# Altium PCB Fri3d_2024_CVR_00.PcbDoc
Units mm, origin at the board's own origin, x right, y up, seen from the top; angles counter-clockwise.
Board outline 83.2 x 53.04 mm, 2 copper layers (Top Layer, Bottom Layer), stack 1.571 mm thick; 20 components, 23 nets, 78 pads, 0 vias.
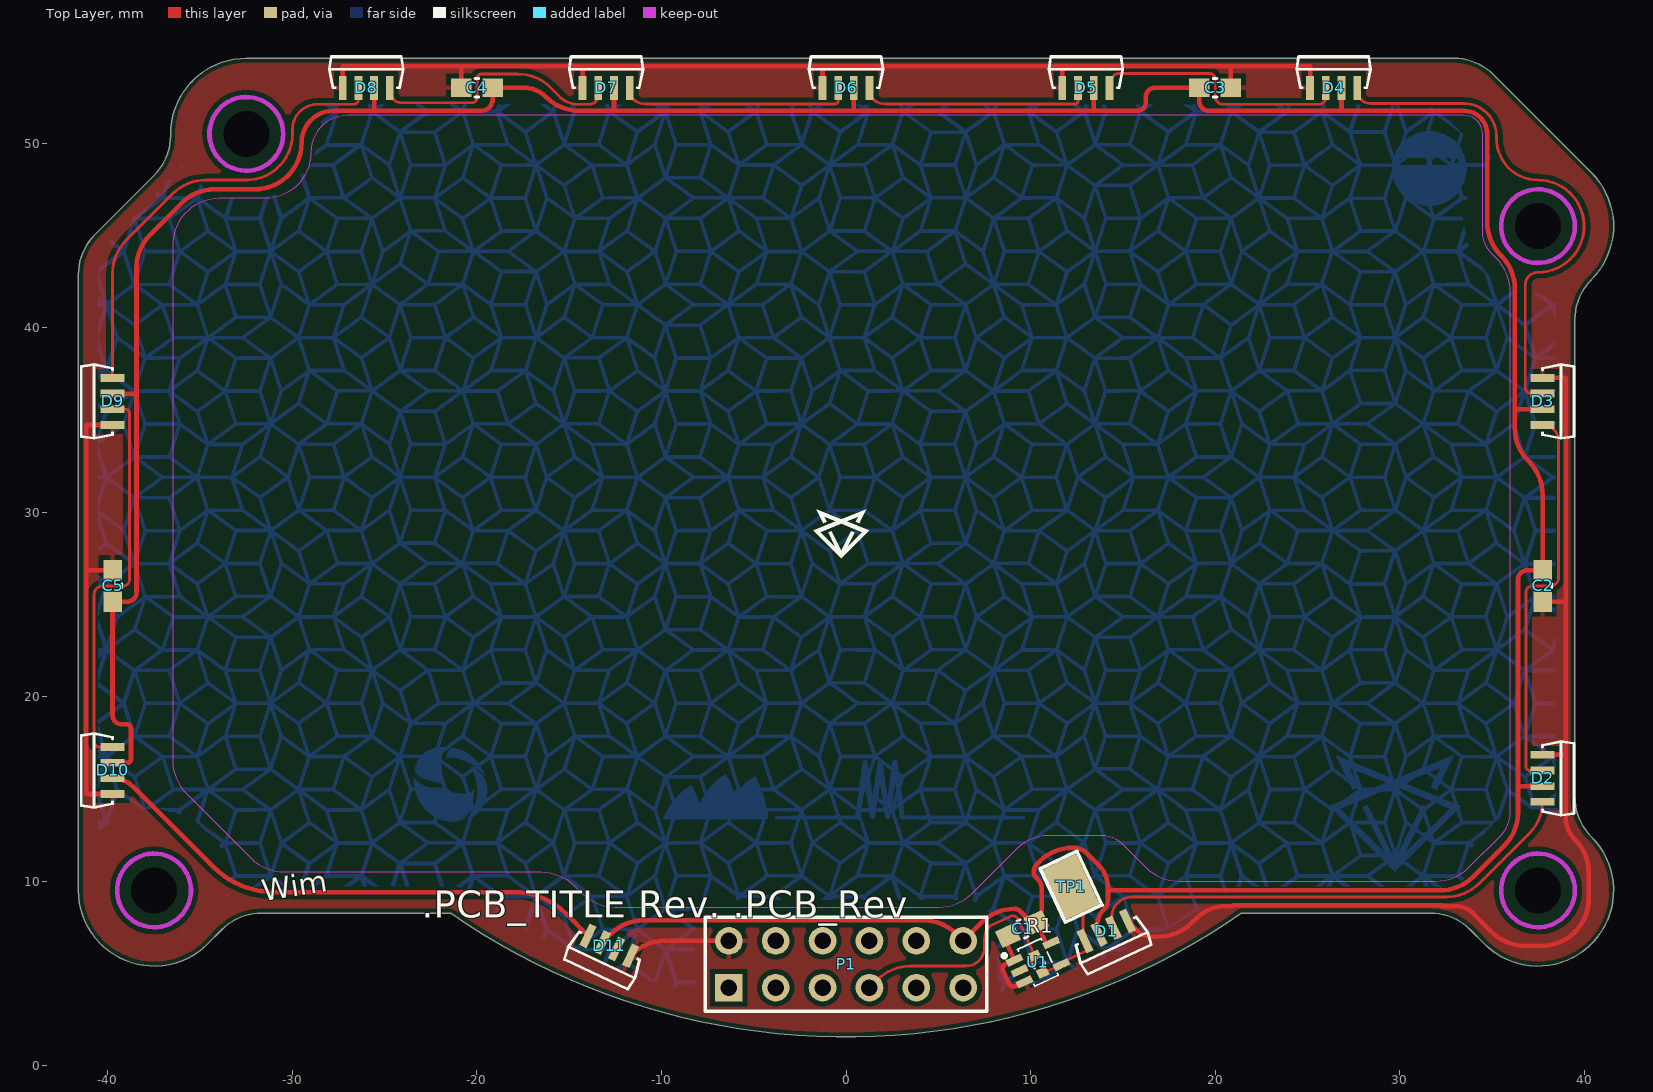
[diagram p0: Top Layer view]
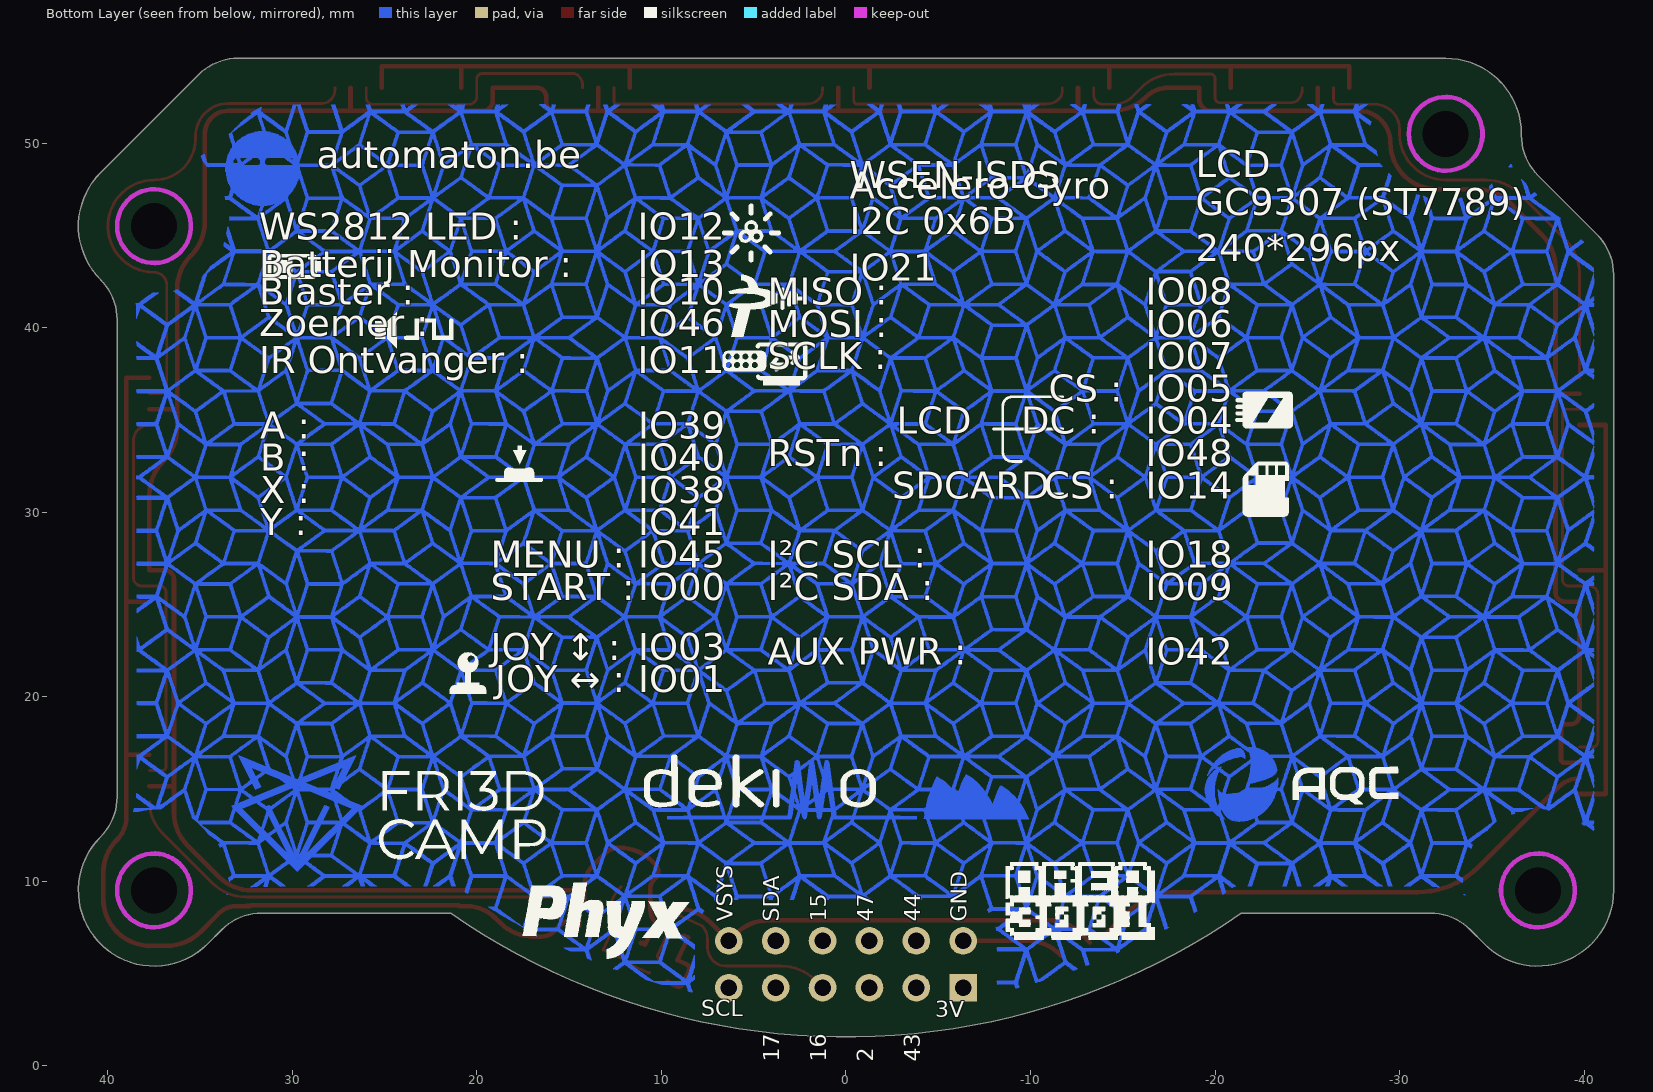
[diagram p1: Bottom Layer view, seen from below]

## Layer stack, top to bottom
Top Solder: solder mask 0.0102, Solder Resist, Dk 3.5
Top Layer: signal copper 0.0356
Dielectric1: core 1.5, FR-4, Dk 4.8
Bottom Layer: signal copper 0.0356
Bottom Solder: solder mask 0.0102, Solder Resist, Dk 3.5

## Board outline
-34.601,6.601 -33.833,7.369 cw(c-31.665,5.201) -31.665,8.267 -21.411,8.267 ccw(c0,39.053) 21.411,8.267 31.665,8.267 cw(c31.665,5.201) 33.833,7.369 34.601,6.601 ccw(c37.5,9.5) 40.399,12.399 40.398,12.4 cw(c42.566,14.568) 39.5,14.568 39.5,40.432 cw(c42.566,40.432) 40.398,42.6 40.399,42.601 ccw(c37.5,45.5) 40.399,48.399 35.096,53.702 ccw(c32.928,51.534) 32.928,54.6 -32.5,54.6 ccw(c-32.5,50.5) -36.6,50.5 -36.6,50.42 cw(c-39.666,50.42) -37.498,48.252 -40.702,45.048 ccw(c-38.534,42.88) -41.6,42.88 -41.6,9.5 ccw(c-37.5,9.5)

## Design rules (kind name [scope] priority, off if disabled: settings)
BoardOutlineClearance [NOT OnLayer('Top Overlay') AND NOT OnLayer('Bottom Overlay') AND NOT IsText AND NOT HasFootprint('MicroBIT_V2_PCB') AND NOT IsKeepOut] p1: gap=0.5 ignorepadtopadclearanceinfootprint=FALSE except(0: Arc-SplitContinuation Track-SplitContinuation SMDPad-SplitContinuation THPad-SplitContinuation Via-SplitContinuation Fill-SplitContinuation Poly-SplitContinuation Region-SplitContinuation Text-SplitContinuation; 0.15: SMDPad-OutlineEdge THPad-OutlineEdge; 0.25: Poly-OutlineEdge Region-OutlineEdge; 0.3: Arc-OutlineEdge Track-OutlineEdge; 0.4: Via-OutlineEdge)
Clearance [All] p1: gap=0.15 ignorepadtopadclearanceinfootprint=FALSE except(0: Arc-Hole Track-Hole SMDPad-Hole THPad-Hole Via-Hole Fill-Hole Poly-Hole Region-Hole Text-Hole; 0.25: Arc-Poly Track-Poly SMDPad-Poly THPad-Poly Via-Poly Fill-Poly; 1.1: Poly-Poly)
ComponentClearance ComponentClearance_TP [HasFootprint('TP_2x3mm')] p1: gap=0 collisioncheckmode=3 verticalgap=0 showdistances=FALSE
ComponentClearance ComponentClearance_CO2 [InComponent('P5') OR InComponent('P8') OR InComponent('MOD2') vs InComponent('P5') OR InComponent('P8') OR InComponent('MOD2')] p2: gap=0 collisioncheckmode=3 verticalgap=0 showdistances=FALSE
ComponentClearance ComponentClearance_BAT [InComponent('P4')  OR InComponent('BAT1') OR InComponent('R27') vs InComponent('P4')  OR InComponent('BAT1') OR InComponent('R27')] p3: gap=0 collisioncheckmode=3 verticalgap=0 showdistances=FALSE
ComponentClearance ComponentClearance_R31-T5 [InComponent('R31') OR InComponent('T5') vs InComponent('R31') OR InComponent('T5')] p4: gap=0 collisioncheckmode=3 verticalgap=0 showdistances=FALSE
ComponentClearance "ComponentClearance_Selection resistors" [InComponent('R45') OR InComponent('R44') OR InComponent('R33') OR InComponent('R34') vs InComponent('R45') OR InComponent('R44') OR InComponent('R33') OR InComponent('R34')] p5: gap=0 collisioncheckmode=3 verticalgap=0 showdistances=FALSE
ComponentClearance ComponentClearance_T9-R4 [InComponent('R4') OR InComponent('T9') vs InComponent('R4') OR InComponent('T9')] p6: gap=0 collisioncheckmode=3 verticalgap=0 showdistances=FALSE
ComponentClearance ComponentClearance_IR [InComponent('D6') OR InComponent('D15') vs InComponent('D6') OR InComponent('D15')] p7: gap=0 collisioncheckmode=3 verticalgap=0 showdistances=FALSE
ComponentClearance [All] p8: gap=0.25 collisioncheckmode=3 verticalgap=0.25 showdistances=FALSE
DiffPairsRouting [All] p1: maxlimit=0.254 minlimit=0.2 mostfreqgap=0.2 toplayer_minwidth=0.25 toplayer_maxwidth=0.5 toplayer_prefwidth=0.25 bottomlayer_minwidth=0.25 bottomlayer_maxwidth=0.5 bottomlayer_prefwidth=0.25 maxuncoupledlength=12.7
HoleSize [All] p1: absolutevalues=TRUE maxlimit=20 minlimit=0.025 maxpercent=80.000 minpercent=20.000
PolygonConnect PolygonConnect_VIA [IsVia] p1: connectstyle=Direct reliefconductorwidth=0.254 reliefentries=4 polygonreliefangle="90 Angle" airgapwidth=0.254
PolygonConnect [All] p2: connectstyle=Relief reliefconductorwidth=0.254 reliefentries=4 polygonreliefangle="90 Angle" airgapwidth=0.254
RoutingVias [All] p1: holewidth=0.3 width=0.7 viastyle="Through Hole" minholewidth=0.3 minwidth=0.2 maxholewidth=0.6 maxwidth=1.2
SilkToSolderMaskClearance SilkscreenOverComponentPads [IsPad] p1: minsilkscreentomaskgap=0.254 clearancetoexposedcopper=TRUE
SolderMaskExpansion [All] p1: expansion=0.05 istentingtop=FALSE
Width [All] p1: maxlimit=5 minlimit=0.15 preferedwidth=0.25
26 further rules are at their usual default settings.

## Components (designator, comment, footprint, x,y, rotation, side; value= is the part's Value field where it differs from the comment)
C1 "" C0603_N 9.555,7.413 r205 top value="100nF 16V"
C2 "CAP_CERAMIC" C0603_N 37.75,26 r270 top value="1uF 16V"
C3 "CAP_CERAMIC" C0603_N 20,53 r0 top value="1uF 16V"
C4 "CAP_CERAMIC" C0603_N -20,53 r180 top value="1uF 16V"
C5 "CAP_CERAMIC" C0603_N -39.75,26 r90 top value="1uF 16V"
D1 "WS2812 based digital RGB LED 4020 White package Side emitting" LED_4020_WS2812B_WHITE 14.1,7.3 r295 top value="WS218B 4020 WH RA"
D2 "WS2812 based digital RGB LED 4020 White package Side emitting" LED_4020_WS2812B_WHITE 37.75,15.575 r0 top value="WS218B 4020 WH RA"
D3 "WS2812 based digital RGB LED 4020 White package Side emitting" LED_4020_WS2812B_WHITE 37.75,36 r0 top value="WS218B 4020 WH RA"
D4 "WS2812 based digital RGB LED 4020 White package Side emitting" LED_4020_WS2812B_WHITE 26.425,53 r90 top value="WS218B 4020 WH RA"
D5 "WS2812 based digital RGB LED 4020 White package Side emitting" LED_4020_WS2812B_WHITE 13,53 r90 top value="WS218B 4020 WH RA"
D6 "WS2812 based digital RGB LED 4020 White package Side emitting" LED_4020_WS2812B_WHITE 0,53 r90 top value="WS218B 4020 WH RA"
D7 "WS2812 based digital RGB LED 4020 White package Side emitting" LED_4020_WS2812B_WHITE -13,53 r90 top value="WS218B 4020 WH RA"
D8 "WS2812 based digital RGB LED 4020 White package Side emitting" LED_4020_WS2812B_WHITE -26,53 r90 top value="WS218B 4020 WH RA"
D9 "WS2812 based digital RGB LED 4020 White package Side emitting" LED_4020_WS2812B_WHITE -39.75,36 r180 top value="WS218B 4020 WH RA"
D10 "WS2812 based digital RGB LED 4020 White package Side emitting" LED_4020_WS2812B_WHITE -39.75,16 r180 top value="WS218B 4020 WH RA"
D11 "WS2812 based digital RGB LED 4020 White package Side emitting" LED_4020_WS2812B_WHITE -12.825,6.5 r245 top value="WS218B 4020 WH RA"
P1 "Header 6X2" HDR2X6 -6.35,4.23 r0 top locked
R1 "RESISTOR" R0402 10.442,5.509 r115 top value=0R
TP1 "TEST_PAD" TP_2x3mm 12.2,9.7 r295 top value="NO BOM"
U1 "SN74AHCT1G125DCKR  Buffer, Tri-State, 4.5V to 5.5V" TI_DCK_R-PDSO-G5 10.4,5.6 r295 top value=SN74AHCT1G125DCKR

## Footprints (in the part's own frame and the unit in brackets; to place one, negate y for a bottom-side part, rotate by r counter-clockwise, add the part's x,y. Pads: shape width x height; smd on the part's side, far side on the other; paste and mask are expansions set on the pad)
C0603_N [mm] "Low density"
  rect 1.1x1 smd: 1(-0.85,0) 2(0.85,0)
  silkscreen extent -0.1,-0.5 0.1,0.5, body extent -0.8,-0.4 0.8,0.4, height 0.3
HDR2X6 [mm] "Connector; Header; 6x2 Position"
  rect 1.5x1.5 hole 0.9: 1(0,0)
  round 1.5 hole 0.9: 2(0,2.54) 3(2.54,0) 4(2.54,2.54) 5(5.08,0) 6(5.08,2.54) 7(7.62,0) 8(7.62,2.54) 9(10.16,0) 10(10.16,2.54) 11(12.7,0) 12(12.7,2.54)
  silkscreen extent -1.27,-1.27 13.97,3.81, body extent -1.27,-1.27 13.97,3.81, height 8.5
LED_4020_WS2812B_WHITE [mm] "4020 RGB LED WS2812B WHITE"
  rect 1.3x0.42 smd: 1(0,-1.275) 2(0,-0.425) 3(0,0.425) 4(0,1.275)
  silkscreen extent 0,-2 1.7,2, body extent -0.11,-2 1.7,2, height 2.1
R0402 [mm]
  rect 0.5x0.6 smd: 1(-0.5,0) 2(0.5,0)
  silkscreen extent -0.1,-0.3 0.1,0.3, body extent -0.5,-0.25 0.5,0.25, height 0.35
TI_DCK_R-PDSO-G5 [mm] "TI-DCK-R-PDSO-G5"
  rect 0.4x0.9 smd: 1(-0.65,-1.1) 2(0,-1.1) 3(0.65,-1.1) 4(0.65,1.1) 5(-0.65,1.1)
  silkscreen extent -1.2,-1.6 1.1,0.7, body extent -1,-1.05 1,1.05, height 0.95
TP_2x3mm [mm] "2 x 3 mm pad"
  rrect10% 3x2 smd mask+0.03: 1(0,0)
  silkscreen extent -1.6,-1.1 1.6,1.1

## Part data
C1: library part "CAP # 100nF 16V 0603", "Capacitor Ceramic"
C2 C3 C4 C5: library part "CAP # 1uF 16V 0603", "Capacitor Ceramic", Supplier Part Number 1=2320814, Supplier 1=Farnell
D1 D2 D3 D4 D5 D6 D7 D8 D9 D10 D11: library part "LED # RGB WS2812B-4020 WH RA", "=Description", Supplier Part Number 1=C965557, Supplier 1=LCSC
P1: library part "Pin Header 2.54mm dual row 12way"
R1: library part "RES # 0R 0402", Supplier Part Number 1=2072513, Supplier 1=Farnell, Supplier 3=Generic, Supplier Part Number 3="0R 1% 0402"
TP1: library part "TP # 2x3mm", Supplier Part Number 1="FOOTPRINT ONLY", Supplier 1=XXX
U1: library part "BUF # 1 SN74AHCT1G125DCKR", "=Description", Supplier Part Number 1=C151417, Supplier 1=LCSC, Supplier 2=LCSC, Supplier Part Number 2=C350557

## Free pads (board coordinates)
  round 0 hole 2.5 unplated mask+0.2: 0(-37.5,9.5) 0(-32.5,50.5) 0(37.5,9.5) 0(37.5,45.5)

## Nets (pads, with @x,y where several pads share a name; then routed paths per layer and width w, separated by ;. In a path a pad name is that pad's centre, name@x,y a point inside that pad or via, vN(x,y) a via of type N, cw(c..) or ccw(c..) an arc to the next point about the centre after c; other vN are vias at no path point)
3V3_AUX: P1.1
ESP.IO2: P1.5
ESP.IO15: P1.8
ESP.IO16: P1.7 R1.2 U1.2 | length 13.5
  Top Layer w0.15: P1.7 1.696,4.656 cw(c3.492,2.86) 3.492,5.4 6.5,5.4 ccw(c6.5,6.4) 7.5,6.4 7.5,6.833 cw(c8.557,6.833) 7.81,7.58 8.916,8.096 cw(c9.039,7.834) 9.301,7.956 R1.2 cw(c8.948,6.43) 9.525,5.192 U1.2
ESP.IO17: P1.9
ESP.IO43: P1.3
ESP.IO44: P1.4
ESP.IO47: P1.6
GND: C1.2 C2.2 C3.2 C4.2 C5.2 D1.4 D2.4 D3.4 D4.4 D5.4 D6.4 D7.4 D8.4 D9.4 D10.4 D11.4 P1.2 U1.1 U1.3 | length 155.1
  Top Layer w0.25: D10.4 -41.175,14.725 -41.175,26.85 ; C5.2 -41.175,26.85 ; D9.4 -41.175,34.725 -41.175,26.85 ; D8.4 -27.275,54.175 -20.85,54.175 ; C4.2 -20.85,54.175 ; D7.4 -14.275,54.175 ; D11.4 -11.605,6.026 cw(c-9.809,4.23) -9.809,6.77 P1.2 ; D6.4 -1.275,54.175 ; C1.2 8.558,6.948 U1.1 8.63,5.492 ccw(c8.736,5.265) 8.509,5.16 8.847,4.435 ccw(c9.074,4.54) 9.179,4.314 U1.3 ; D5.4 11.725,54.175 ; D1.4 15.808,7.287 ccw(c16.5,7.979) 16.5,7 16.948,7 ccw(c16.948,9.54) 18.744,7.744 19.006,8.006 cw(c20.559,6.453) 20.559,8.649 20.955,8.649 20.998,8.692 31.988,8.692 31.991,8.688 32.261,8.688 32.291,8.659 32.527,8.659 32.536,8.649 33.036,8.649 cw(c33.036,7.286) 34,8.25 35.006,7.244 ccw(c36.802,9.04) 36.802,6.5 37.698,6.5 ccw(c37.698,9.04) 39.494,7.244 39.506,7.256 ccw(c37.71,9.052) 40.25,9.052 40.25,10.448 ccw(c37.71,10.448) 39.506,12.244 cw(c40.728,13.466) 39,13.466 39,16.85 ; C3.2 20.85,54.175 ; D4.4 25.15,54.175 20.85,54.175 ; D2.4 39,16.85 ; C2.2 39,25.15 ; D3.4 39,37.275 39,25.15 ; -20.85,54.175 -14.275,54.175 ; -14.275,54.175 -1.275,54.175 ; -1.275,54.175 11.725,54.175 ; 11.725,54.175 20.85,54.175 ; 39,16.85 39,25.15
I2C.SCL: P1.11
I2C.SDA: P1.10
LED.D: D1.1 R1.1 TP1.1 U1.4 | length 6.5
  Top Layer w0.15: R1.1 ccw(c10.699,5.077) 10.72,5.032 U1.4 11.719,5.605 13.157,6.276 13.163,6.292 D1.1 cw(c13.197,7.013) 12.84,7.013 12.84,8.155 ccw(c10.655,8.155) TP1.1
NetD1_3: D1.3 D2.1 | length 27.1
  Top Layer w0.15: D1.3 cw(c14.67,7.665) 14.408,7.665 14.408,8.096 cw(c15.404,8.096) 14.7,8.8 ; 14.701,8.801 cw(c15.535,7.965) 15.535,9.146 32.528,9.146 ccw(c32.528,11.686) 34.324,9.89 37.054,12.619 ccw(c35.373,14.3) D2.1
NetD2_3: D2.3 D3.1 | length 21.5
  Top Layer w0.15: D2.3 37.065,16 cw(c37.065,16.22) 36.845,16.22 36.845,25.657 cw(c37.189,25.657) 37.189,26 38.16,26 ccw(c38.16,26.458) 38.618,26.458 38.618,33.857 ccw(c37.75,33.857) D3.1
NetD3_3: D3.3 D4.1 | length 28.4
  Top Layer w0.15: D4.1 27.7,52.894 ccw(c28.473,52.894) 27.926,52.348 ccw(c28.398,52.82) 28.398,52.153 33.472,52.153 cw(c33.472,50.375) 35.25,50.375 35.25,50.25 ccw(c37.5,50.25) 37.5,48 cw(c37.5,45.5) 37.5,43 ccw(c37.5,42.311) 36.811,42.311 36.811,36.755 ccw(c37.141,36.755) 37.141,36.425 D3.3
NetD4_3: D4.3 D5.1 | length 14.3
  Top Layer w0.15: D5.1 14.275,53.125 cw(c15.01,53.125) 14.49,53.645 cw(c14.799,53.336) 14.799,53.773 19.704,53.773 cw(c19.704,53.468) 20.009,53.468 20.009,52.52 ccw(c20.424,52.52) 20.424,52.104 25.646,52.104 ccw(c25.646,52.459) 26,52.459 D4.3
NetD5_3: D5.3 D6.1 | length 12.6
  Top Layer w0.15: D6.1 1.275,52.844 ccw(c1.904,52.844) 1.459,52.4 ccw(c2.142,53.083) 2.142,52.117 12.398,52.117 ccw(c12.398,52.294) 12.575,52.294 D5.3
NetD6_3: D6.3 D7.1 | length 12.6
  Top Layer w0.15: D7.1 -11.725,52.844 ccw(c-11.096,52.844) -11.541,52.4 ccw(c-10.858,53.083) -10.858,52.117 -0.602,52.117 ccw(c-0.602,52.294) -0.425,52.294 D6.3
NetD7_3: D7.3 D8.1 | length 14.4
  Top Layer w0.15: D8.1 -24.725,52.923 ccw(c-23.904,52.923) -24.484,52.343 ccw(c-24.118,52.709) -24.118,52.191 -20.267,52.191 ccw(c-20.267,52.458) -20,52.458 -20,53.5 cw(c-19.75,53.5) -19.75,53.75 -17.8,53.75 cw(c-17.8,51.21) -16.004,53.006 -15.49,52.492 ccw(c-14.576,53.406) -14.576,52.113 -13.903,52.113 ccw(c-13.903,52.591) -13.425,52.591 D7.3
NetD8_3: D8.3 D9.1 | length 24.7
  Top Layer w0.15: D9.1 -39.75,42.948 cw(c-37.21,42.948) -39.006,44.744 -36.494,47.256 cw(c-34.698,45.46) -34.698,48 -32.5,48 ccw(c-32.5,50.5) -30,50.5 -30,50.75 cw(c-28.644,50.75) -28.644,52.106 -26.688,52.106 ccw(c-26.688,52.369) -26.425,52.369 D8.3
NetD9_3: D9.3 D10.1 | length 21.6
  Top Layer w0.15: D10.1 -40.455,17.275 cw(c-40.455,17.57) -40.75,17.57 -40.75,25.536 cw(c-40.286,25.536) -40.286,26 -39.167,26 ccw(c-39.167,26.339) -38.829,26.339 -38.829,35.38 ccw(c-39.024,35.38) -39.024,35.575 D9.3
NetD10_3: D10.3 D11.1 | length 28.9
  Top Layer w0.25: D10.3 cw(c-39.75,13.945) -38.598,15.098 -34.258,10.758 ccw(c-31.005,14.011) -31.005,9.411 -17.985,9.411 cw(c-17.985,5.469) -15.198,8.256 D11.1
VSYS: C1.1 C2.1 C3.1 C4.1 C5.1 D1.2 D2.2 D3.2 D4.2 D5.2 D6.2 D7.2 D8.2 D9.2 D10.2 D11.2 P1.12 U1.5 | length 222.8
  Top Layer w0.25: D10.2 -38.936,16.425 ccw(c-38.936,16.611) -38.75,16.611 -38.75,18.25 ccw(c-39,18.25) -39,18.5 -39.25,18.5 cw(c-39.25,19) -39.75,19 C5.1 -38.951,25.15 ccw(c-38.951,25.651) -38.45,25.651 -38.45,36.425 ; D9.2 -38.45,36.425 ; D8.2 -25.575,51.75 ; D11.2 -12.75,7.14 cw(c-10.954,5.343) -10.954,7.883 4.184,7.883 cw(c4.184,5.343) 5.98,7.14 P1.12 7.336,7.756 cw(c9.132,5.96) 9.132,8.5 cw(c9.132,8.055) 9.447,8.37 C1.1@9.801,8.015 ; D7.2 -12.575,51.75 ; D6.2 0.425,51.75 ; C1.1@9.846,7.97 ccw(c10.325,8.449) C1.1 ; U1.5 11.001,6.654 10.896,6.548 C1.1 ; D5.2 13.425,51.75 ; D1.2 13.613,7.222 13.613,7.567 cw(c14.933,7.567) 14,8.5 ccw(c13.517,8.983) 14.2,8.983 14.2,9.5 ; D4.2 26.85,51.75 ; D2.2 36.416,15.15 ; D3.2 36.25,35.575 ; -38.45,36.425 -38.45,43.248 cw(c-35.91,43.248) -37.706,45.044 -35.985,46.765 cw(c-34.21,44.99) -34.21,47.5 -32.04,47.5 ccw(c-32.04,50.04) -29.5,50.04 cw(c-27.79,50.04) -27.79,51.75 -25.575,51.75 ; -25.575,51.75 -19.775,51.75 ccw(c-19.775,52.375) -19.15,52.375 C4.1 -17.466,53 cw(c-17.466,51.272) -16.244,52.494 ccw(c-14.448,54.29) -14.448,51.75 -12.575,51.75 ; -12.575,51.75 0.425,51.75 ; 0.425,51.75 13.425,51.75 ; C1.1 ccw(c9.662,8.435) 10.6,8.435 10.6,9.617 ccw(c9.917,9.617) 10.4,10.1 10.283,10.217 cw(c10.542,10.477) 10.175,10.477 10.175,10.48 cw(c10.85,10.48) 10.373,10.956 10.487,11.07 cw(c12.283,9.274) 12.283,11.814 12.364,11.814 cw(c12.364,10.883) 13.022,11.542 13.694,10.87 cw(c12.471,9.648) 14.2,9.648 14.2,9.5 ; 13.425,51.75 15.779,51.75 ccw(c15.779,52.221) 16.25,52.221 16.25,52.5 cw(c16.75,52.5) 16.75,53 C3.1 19.15,52.269 ccw(c19.669,52.269) 19.669,51.75 26.85,51.75 ; 14.2,9.5 32.198,9.5 ccw(c32.198,12.04) 33.994,10.244 35.672,11.922 ccw(c33.876,13.719) 36.416,13.719 36.416,15.15 ; 26.85,51.75 33.5,51.75 cw(c33.5,50.5) 34.75,50.5 34.75,45.708 ccw(c37.29,45.708) 35.494,43.912 35.506,43.899 cw(c33.71,42.103) 36.25,42.103 36.25,35.575 ; 36.25,35.575 36.25,34.552 ccw(c38.79,34.552) 36.994,32.756 cw(c35.2,30.944) 37.75,30.944 C2.1 36.919,26.85 ccw(c36.919,26.348) 36.416,26.348 36.416,15.15
pads on no net: D11.3

## Polygon pours and split planes (outlines as drawn)
GND on Top Layer "NONET_L-01_P-001" (solid, remove dead copper, pour order 2): -43.25,55.25 -43.25,0.75 44.5,0.75 44.5,55.25

## Keep-outs
Top Layer:
  region: -27,51.5 ccw(c-27,49.5) -29,49.5 cw(c-31.5,49.5) -31.5,47 -33.96,47 ccw(c-33.96,44.46) -36.5,44.46 -36.5,16.552 ccw(c-33.96,16.552) -35.756,14.756 -32.244,11.244 ccw(c-30.448,13.04) -30.448,10.5 -16.515,10.5 cw(c-16.515,7.96) -14.719,9.756 -14.308,9.345 ccw(c-12.512,11.141) -12.512,8.601 5.049,8.601 ccw(c5.049,11.141) 6.845,9.345 9.293,11.793 cw(c11,10.086) 11,12.5 13.793,12.5 cw(c13.793,10.793) 15,12 16.256,10.744 ccw(c18.052,12.54) 18.052,10 31.948,10 ccw(c31.948,12.54) 33.744,10.744 35.5,12.5 ccw(c34.293,13.707) 36,13.707 36,41.948 ccw(c33.46,41.948) 35.256,43.744 35,44 cw(c36.207,45.207) 34.5,45.207 34.5,50.5 ccw(c33.5,50.5) 33.5,51.5
Keep-Out Layer:
  circle w0.25: c37.5,9.5 r2
  circle w0.25: c37.5,45.5 r2
  circle w0.25: c-32.5,50.5 r2
  circle w0.25: c-37.5,9.5 r2
  text ".Layer_Name" at 184.902,-39.311 h3.5

## Other copper
Top Layer:
  text ".Layer_Name" at 184.902,-39.311 h3.5
Bottom Layer:
  region: -36.121,48.713 -36.112,48.749 -36.094,48.766 -36.05,48.846 -36.028,48.868 -36.01,48.859 -35.988,48.828 -35.927,48.749 -35.913,48.718 -35.922,48.7 -35.958,48.691 -35.993,48.7 -36.103,48.696 -36.121,48.704
  region: 9466 vertices and 1075 holes, not listed, extent -40.54,3.97 38.635,52.105
  region: -33.47,9.254 -33.55,9.218 -33.572,9.223 -33.563,9.258 -33.541,9.289 -33.505,9.298 -33.457,9.284 -33.466,9.258
  region: 33.51,9.276 33.515,9.289 33.541,9.298 33.563,9.284 33.559,9.254 33.515,9.262 33.51,9.267
  region: 395 vertices and 2 holes, not listed, extent 29.597,46.605 33.628,50.636
  region: 32.935,16.805 32.016,14.956 31.713,15.084 31.699,15.122 32.219,16.162 30.219,15.339 33.28,14.078 33.288,14.038 29.75,10.5 26.212,14.038 26.22,14.078 29.281,15.339 27.281,16.162 27.79,15.122 27.775,15.084 27.472,14.957 26.554,16.805 26.582,16.835 29.744,15.53 32.907,16.835 hole: 29.75,15.142 26.818,13.937 29.165,11.595 27.967,13.991 27.981,14.029 28.284,14.157 29.75,11.219 31.216,14.157 31.519,14.029 31.533,13.991 30.335,11.589 32.682,13.937
  region: -3.828,13.361 -3.828,13.525 -2.933,13.538 -2.5,13.543 -1.924,13.547 -1.311,13.549 -0.755,13.55 -0.211,13.551 0.19,13.555 0.52,13.56 0.529,13.569 0.536,13.671 0.722,15.049 0.912,16.45 0.926,16.5 0.95,16.531 0.989,16.552 1.037,16.56 1.088,16.554 1.108,16.547 1.128,16.534 1.144,16.517 1.155,16.5 1.165,16.466 1.207,16.184 1.254,15.86 1.306,15.484 1.357,15.11 1.401,14.795 1.441,14.51 1.443,14.505 1.445,14.505 1.446,14.506 1.487,14.794 1.531,15.113 1.584,15.495 1.684,16.216 1.725,16.433 1.772,16.528 1.845,16.562 1.919,16.527 1.966,16.432 2.009,16.214 2.111,15.488 2.164,15.106 2.209,14.786 2.249,14.501 2.25,14.5 2.251,14.501 2.283,14.727 2.394,15.544 2.516,16.443 2.518,16.465 2.529,16.497 2.563,16.529 2.607,16.554 2.65,16.562 2.675,16.56 2.702,16.551 2.726,16.539 2.745,16.524 2.76,16.508 2.772,16.491 2.781,16.475 2.783,16.464 2.784,16.445 2.839,16.029 2.9,15.563 2.972,15.015 3.045,14.466 3.106,14.002 3.161,13.585 3.162,13.569 3.171,13.56 3.753,13.555 4.477,13.551 5.517,13.55 6.486,13.549 7.449,13.547 8.285,13.543 8.785,13.538 9.697,13.525 9.697,13.361 2.986,13.37 2.952,13.418 2.931,13.468 2.899,13.656 2.857,13.938 2.791,14.412 2.742,14.776 2.698,15.085 2.658,15.36 2.652,15.373 2.648,15.374 2.646,15.371 2.605,15.098 2.56,14.789 2.509,14.419 2.413,13.731 2.37,13.501 2.326,13.397 2.259,13.361 2.216,13.366 2.178,13.38 2.149,13.403 2.13,13.431 2.119,13.475 1.99,14.399 1.865,15.292 1.853,15.407 1.85,15.411 1.845,15.407 1.826,15.294 1.79,15.046 1.713,14.479 1.664,14.122 1.622,13.811 1.585,13.544 1.577,13.496 1.559,13.44 1.529,13.397 1.488,13.37 1.439,13.361 1.369,13.397 1.323,13.496 1.28,13.719 1.183,14.418 1.131,14.789 1.086,15.098 1.045,15.372 1.042,15.374 1.039,15.373 1.033,15.36 0.993,15.085 0.949,14.776 0.9,14.412 0.834,13.934 0.792,13.654 0.76,13.468 0.739,13.418 0.705,13.37
  region: -9.911,13.361 -9.898,13.403 -9.898,13.404 -9.869,13.477 -9.776,13.666 -9.679,13.853 -9.609,13.977 -9.462,14.203 -9.29,14.429 -9.111,14.635 -8.94,14.802 -8.786,14.928 -8.61,15.054 -8.444,15.161 -8.378,15.179 -8.345,15.158 -8.21,14.849 -8.082,14.539 -7.986,14.273 -7.986,14.272 -7.953,14.171 -7.846,14.377 -7.641,14.726 -7.408,15.044 -7.148,15.328 -6.865,15.574 -6.78,15.634 -6.662,15.707 -6.542,15.777 -6.507,15.786 -6.496,15.779 -6.464,15.726 -6.428,15.66 -6.389,15.582 -6.31,15.411 -6.253,15.276 -6.197,15.128 -6.121,14.909 -6.033,14.648 -5.925,14.799 -5.811,14.945 -5.67,15.104 -5.52,15.255 -5.383,15.377 -5.271,15.461 -5.12,15.563 -4.965,15.66 -4.924,15.672 -4.915,15.667 -4.891,15.628 -4.863,15.579 -4.833,15.522 -4.689,15.206 -4.556,14.855 -4.442,14.486 -4.35,14.113 -4.311,13.92 -4.269,13.689 -4.232,13.468 -4.226,13.397 -4.251,13.372 -4.6,13.366 -5.212,13.362 -7.069,13.361
  region: -19.587,15.721 -19.604,15.721 -19.604,15.703 -19.569,15.703 -19.569,15.721 -19.569,15.738 -19.586,15.738
  region: 570 vertices and 0 holes, not listed, extent -20.547,13.346 -19.453,16.214
  region: 380 vertices and 0 holes, not listed, extent -21.649,15.756 -19.586,17.214
  region: 638 vertices and 0 holes, not listed, extent -23.434,13.23 -20.15,15.615
  region: 460 vertices and 0 holes, not listed, extent -23.359,15.27 -21.556,17.272
  text ".Layer_Name" at 184.902,-39.311 h3.5

## Silkscreen, mask and mechanical layers (free items; w line width, h text height)
Top Overlay:
  region: -1.611,30.156 -1.233,29.395 -1.04,29.472 -1.034,29.488 -1.166,29.754 -0.545,29.498 -1.738,29.007 -1.741,28.991 -0.259,27.509 1.224,28.991 1.22,29.007 0.029,29.495 0.651,29.751 0.519,29.485 0.525,29.47 0.717,29.392 1.098,30.156 1.087,30.168 -0.257,29.614 -1.6,30.168 hole: -0.257,29.379 0.848,28.924 0.116,28.192 0.465,28.89 0.459,28.905 0.267,28.983 -0.257,27.936 -0.78,28.983 -0.97,28.903 -0.976,28.888 -0.627,28.19 -1.361,28.924
  text "Wim" at -31.5,8.5 h2 r9
  text ".PCB_TITLE Rev. .PCB_Rev" at -22.999,7.537 h2.5 r0.02
  text ".Layer_Name" at 184.902,-39.311 h3.5
Bottom Overlay:
  drawing of 63 lines, arcs and shapes, not listed
  text "automaton.be" at 28.692,48.139 h2.55
  text "LCD" at -18.95,47.65 h2.5
  text "Accelero Gyro" at -0.2,46.5 h2.5
  text "IO12" at 11.294,44.285 h2.5
  text "WS2812 LED :" at 31.794,44.285 h2.5
  text "GC9307 (ST7789) / 240*296px" at -18.95,43.116 h2.5
  text "IO13" at 11.294,42.246 h2.5
  text "Batterij Monitor :" at 31.794,42.246 h2.5
  text "WSEN-ISDS / I2C 0x6B / IO21" at -0.2,42.065 h2.5
  text "IO08" at -16.25,40.75 h2.5
  text "MISO :" at 4.25,40.75 h2.5
  text "IO10" at 11.294,40.753 h2.5
  text "Blaster :" at 31.794,40.753 h2.5
  text "IO46" at 11.294,39.036 h2.5
  text "Zoemer :" at 31.794,39.036 h2.5
  text "IO06" at -16.25,39 h2.5
  text "MOSI :" at 4.25,39 h2.5
  text "IO07" at -16.25,37.25 h2.5
  text "SCLK :" at 4.25,37.25 h2.5
  text "IO11" at 11.294,37.045 h2.5
  text "IR Ontvanger :" at 31.794,37.045 h2.5
  text "IO05" at -16.25,35.5 h2.5
  text "CS :" at -11,35.5 h2.5
  text "IO04" at -16.25,33.75 h2.5
  text "DC :" at -9.5,33.75 h2.5
  text "LCD" at -2.75,33.75 h2.5
  text "IO39" at 11.25,33.5 h2.5
  text "A :" at 31.75,33.5 h2.5
  text "IO48" at -16.25,32 h2.5
  text "RSTn :" at 4.25,32 h2.5
  text "IO40" at 11.25,31.75 h2.5
  text "B :" at 31.75,31.75 h2.5
  text "IO14" at -16.25,30.25 h2.5
  text "CS :" at -10.75,30.25 h2.5
  text "SDCARD" at -2.5,30.25 h2.5
  text "IO38" at 11.25,30 h2.5
  text "X :" at 31.75,30 h2.5
  text "IO41" at 11.25,28.25 h2.5
  text "Y :" at 31.75,28.25 h2.5
  text "IO18" at -16.25,26.5 h2.5
  text "I²C SCL :" at 4.25,26.5 h2.5
  text "IO45" at 11.25,26.5 h2.5
  text "MENU :" at 19.25,26.5 h2.5
  text "IO09" at -16.25,24.75 h2.5
  text "I²C SDA :" at 4.25,24.75 h2.5
  text "IO00" at 11.25,24.75 h2.5
  text "START :" at 19.25,24.75 h2.5
  text "IO03" at 11.25,21.5 h2.5
  text "JOY ↕ :" at 19.25,21.5 h2.5
  text "IO42" at -16.25,21.25 h2.5
  text "AUX PWR :" at 4.25,21.25 h2.5
  text "IO01" at 11.25,19.75 h2.5
  text "JOY ↔ :" at 19,19.75 h2.5
  text "GND" at -6.85,7.79 h1.5 r270
  text "44" at -4.31,7.79 h1.5 r270
  text "47" at -1.77,7.79 h1.5 r270
  text "15" at 0.77,7.79 h1.5 r270
  text "SDA" at 3.31,7.79 h1.5 r270
  text "VSYS" at 5.85,7.79 h1.5 r270
  text "SCL" at 7.85,2.38 h1.5
  text "3V" at -4.85,2.33 h1.5
  text "43" at -4.31,0.21 h1.5 r270
  text "2" at -1.77,0.21 h1.5 r270
  text "16" at 0.77,0.21 h1.5 r270
  text "17" at 3.31,0.21 h1.5 r270
  text ".Layer_Name" at 184.902,-39.311 h3.5
Top Paste:
  text ".Layer_Name" at 184.902,-39.311 h3.5
Bottom Paste:
  text ".Layer_Name" at 184.902,-39.311 h3.5
Top Solder:
  text ".Layer_Name" at 184.902,-39.311 h3.5
Bottom Solder:
  text ".Layer_Name" at 184.902,-39.311 h3.5
Drill Guide:
  text ".Layer_Name" at 184.902,-39.311 h3.5
3D Symbols:
  text ".Layer_Name" at 184.902,-39.311 h3.5
Board Outline:
  lines w0.1: -21.411,8.267 -31.665,8.267 ccw(c-31.665,5.201) -33.833,7.369 -34.601,6.601 cw(c-37.5,9.5) -41.6,9.5 -41.6,42.88 cw(c-38.534,42.88) -40.702,45.048 -37.498,48.252 ccw(c-39.666,50.42) -36.6,50.42 -36.6,50.5 cw(c-32.5,50.5) -32.5,54.6 32.928,54.6 cw(c32.928,51.534) 35.096,53.702 40.399,48.399 cw(c37.5,45.5) 40.399,42.601 ; 21.411,8.267 31.665,8.267 cw(c31.665,5.201) 33.833,7.369 34.601,6.601 ccw(c37.5,9.5) 40.399,12.399 40.398,12.4 cw(c42.566,14.568) 39.5,14.568 39.5,40.432 cw(c42.566,40.432) 40.398,42.6 ; 36.67,49.6 37.5,49.6
  lines w0.15: -21.411,8.267 ccw(c0,39.053) 21.411,8.267
Comments:
  circle w0.1: c-37.5,9.5 r4.1
  circle w0.1: c37.5,9.5 r4.1
  circle w0.1: c-32.5,50.5 r4.1
  circle w0.1: c37.5,45.5 r4.1
  lines w0.1: -41.6,9.5 -41.6,42.88 cw(c-38.534,42.88) -40.702,45.048 -37.498,48.252 ccw(c-39.666,50.42) -36.6,50.42 -36.6,50.5 ; -34.601,6.601 -33.833,7.369 cw(c-31.665,5.201) -31.665,8.267 -21.411,8.267 ; -29.601,53.399 ccw(c-28.034,54.966) -28.034,52.75 0,52.75 30.98,52.75 cw(c30.98,49.684) 33.148,51.852 34.502,50.498 ccw(c36.67,52.666) 36.67,49.6 37.5,49.6 ; 21.411,8.267 31.665,8.267 cw(c31.665,5.201) 33.833,7.369 34.601,6.601 ; 40.398,42.6 ccw(c42.566,40.432) 39.5,40.432 39.5,14.568 ccw(c42.566,14.568) 40.398,12.4 40.399,12.399 ; -26.1,11.2 -26.1,51.2 33.9,51.2 33.9,11.2 -26.1,11.2
  lines w0.15: -21.411,8.267 ccw(c0,39.053) 21.411,8.267 ; -8.181,1.447 -8.181,6.77 cw(c-6.35,6.77) -6.35,8.601 6.35,8.601 cw(c6.35,6.77) 8.181,6.77 8.181,1.447
  text ".Layer_Name" at 184.902,-39.311 h3.5
Fabrication:
  text "Matt Green Solder Mask" at -111,-7.5 h1.5
  text "Black Silkscreen" at -111,-10.5 h1.5
  text "1.6mm Thickness" at -111,-16.5 h1.5
  text ".Layer_Name" at 184.902,-39.311 h3.5
Top Placebound:
  text ".Layer_Name" at 184.902,-39.311 h3.5
Bottom Placebound:
  text ".Layer_Name" at 184.902,-39.311 h3.5
Frame:
  drawing of 15 lines, arcs and shapes, not listed
  text "Document" at 180.402,-24.311 h2
  text ".PCB_TITLE" at 181.902,-29.811 h3.2
  text "Layer Name" at 180.402,-34.311 h2
  text "Date" at 180.402,-44.311 h2
  text "Rev" at 220.402,-44.311 h2
  text ".Print_Date" at 183.402,-49.811 h3.5
  text ".PCB_REV" at 224.902,-49.811 h4
  text "Desginer" at 130.402,-54.311 h2
  text "Document" at 180.402,-54.311 h2
  text ".Pcb_File_Name_No_Path" at 181.902,-59.311 h1.5
  text ".PCB_ENGINEER" at 134.902,-59.811 h4
Top Assembly:
  text ".Layer_Name" at 184.902,-39.311 h3.5
Bottom Assembly:
  text ".Layer_Name" at 184.902,-39.311 h3.5
Drill Drawing:
  circle w0.15: c82.744,26.91 r0.444
  lines w0.15: 81.497,23.866 205.649,23.866 ; 81.497,27.866 205.649,27.866 ; 88.895,21.866 88.895,29.866 ; 95.993,21.866 95.993,29.866 ; 110.689,21.866 110.689,29.866 ; 117.487,21.866 117.487,29.866 ; 127.325,21.866 127.325,29.866 ; 147.352,21.866 147.352,29.866 ; 155.27,21.866 155.27,29.866 ; 165.267,21.866 165.267,29.866 ; 175.298,21.866 175.298,29.866 ; 186.895,21.866 186.895,29.866 ; 81.497,21.866 205.649,21.866 205.649,29.866 81.497,29.866 81.497,21.866 ; 82.299,24.466 83.188,24.466 83.188,25.355 82.299,25.355 82.299,24.466
  text "Symbol" at 82.697,28.466 h0.96
  text "Count" at 89.495,28.466 h0.96
  text "Hole Size" at 96.593,28.466 h0.96
  text "Plated" at 111.289,28.466 h0.96
  text "Hole Type" at 118.087,28.466 h0.96
  text "Drill Layer Pair" at 127.925,28.466 h0.96
  text "Via/Pad" at 147.952,28.466 h0.96
  text "Pad Shape" at 155.87,28.466 h0.96
  text "Template" at 165.867,28.466 h0.96
  text "Hole Length" at 175.898,28.466 h0.96
  text "Routed Path Length" at 187.495,28.466 h0.96
  text "4" at 89.495,26.466 h0.8
  text "2.500mm (98.43mil)" at 96.593,26.466 h0.8
  text "NPTH" at 111.289,26.466 h0.8
  text "Round" at 118.087,26.466 h0.8
  text "Top Layer - Bottom Layer" at 127.925,26.466 h0.8
  text "Pad" at 147.952,26.466 h0.8
  text "Rounded" at 155.87,26.466 h0.8
  text "c0hn250m290" at 165.867,26.466 h0.8
  text "-" at 175.898,26.466 h0.8
  text "-" at 187.495,26.466 h0.8
  text "12" at 89.495,24.466 h0.8
  text "0.900mm (35.43mil)" at 96.593,24.466 h0.8
  text "PTH" at 111.289,24.466 h0.8
  text "Round" at 118.087,24.466 h0.8
  text "Top Layer - Bottom Layer" at 127.925,24.466 h0.8
  text "Pad" at 147.952,24.466 h0.8
  text "(Mixed)" at 155.87,24.466 h0.8
  text "(Mixed)" at 165.867,24.466 h0.8
  text "-" at 175.898,24.466 h0.8
  text "-" at 187.495,24.466 h0.8
  text "16 Total" at 89.495,22.466 h0.8
  text ".Layer_Name" at 184.902,-39.311 h3.5
Panel:
  text ".Layer_Name" at 184.902,-39.311 h3.5

## Dimensions
-32.5,54.6 to 0,1.553 on Fabrication
-41.6,9.5 to 41.6,9.5 on Fabrication